# Altium PCB TrackCommanderCar_PCB.PcbDoc (part 2 of 2)
Units mm, origin at the board's own origin, x right, y up, seen from the top; angles counter-clockwise.
Board outline 155.3 x 78.3 mm, 2 copper layers (Top Layer, Bottom Layer); 125 components, 88 nets, 481 pads, 306 vias.
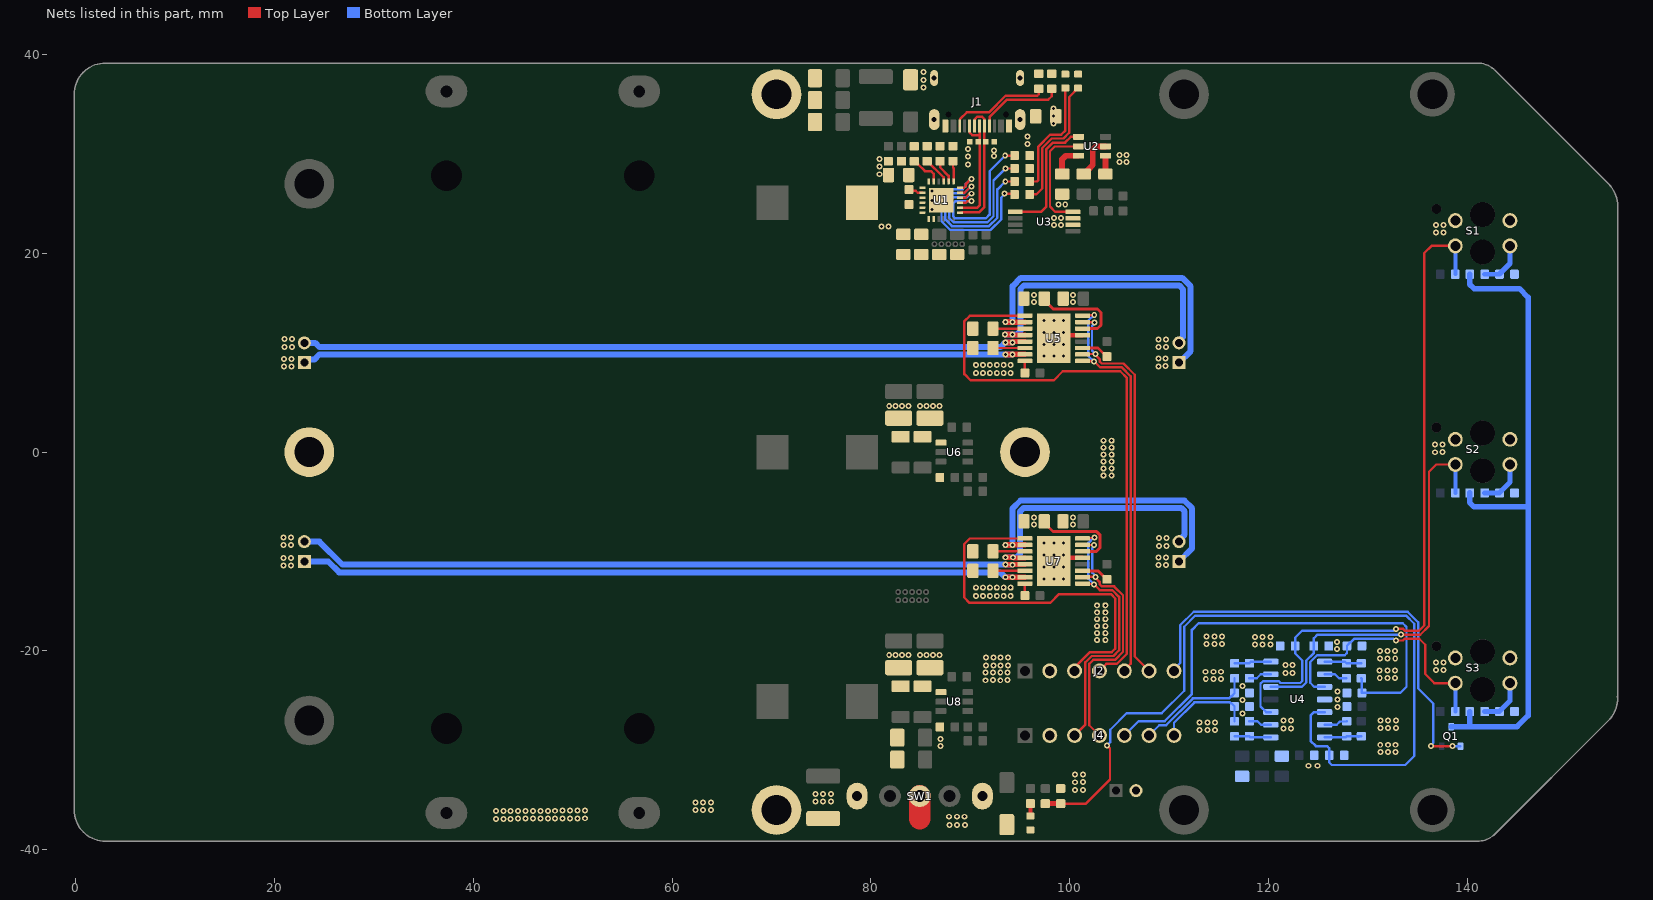
[diagram p2: the nets of this part, all layers, seen from the top]

## Via types
v1: diameter 0.6, hole 0.3, Top Layer to Bottom Layer, 306 vias

## Nets (pads, with @x,y where several pads share a name; then routed paths per layer and width w, separated by ;. In a path a pad name is that pad's centre, name@x,y a point inside that pad or via, vN(x,y) a via of type N, cw(c..) or ccw(c..) an arc to the next point about the centre after c; other vN are vias at no path point) (continued)
GND: C1.1 C2.1 C3.1 C4.1 C5.1 C11.1 C12.1 C13.1 C14.2 C15.1 C16.1 C17.1 C19.1 C20.1 C21.1 C23.1 C24.1 C25.1 C26.2 C27.1 C28.2 C30.2 C31.1 C32.1 C35.2 C36.1 C37.1 C38.1 C39.2 C41.2 C42.2 C43.1 C44.1 C45.1 C46.1 C47.1 D1.2 D2.1 D3.1 D4.1 D5.1 D6.2 D7.1 FB1.1 J1.A1_B12 J1.B1_A12 J2.2 J4.2 J9.2 pad.2@90.57,7.955 pad.2@90.57,8.78 pad.2@90.57,-13.634 pad.2@90.57,-14.459 pad.2@91.27,7.955 pad.2@91.27,8.78 pad.2@91.27,-13.634 pad.2@91.27,-14.459 pad.2@91.97,7.955 pad.2@91.97,8.78 pad.2@91.97,-13.634 pad.2@91.97,-14.459 pad.2@92.67,7.955 pad.2@92.67,8.78 pad.2@92.67,-13.634 pad.2@92.67,-14.459 pad.2@93.37,7.955 pad.2@93.37,8.78 pad.2@93.37,-13.634 pad.2@93.37,-14.459 pad.2@94.07,7.955 pad.2@94.07,8.78 pad.2@94.07,-13.634 pad.2@94.07,-14.459 pad.2@102.765,-15.41 pad.2@102.765,-16.11 pad.2@102.765,-16.81 pad.2@102.765,-17.51 pad.2@102.765,-18.21 pad.2@102.765,-18.91 pad.2@103.59,-15.41 pad.2@103.59,-16.11 pad.2@103.59,-16.81 pad.2@103.59,-17.51 pad.2@103.59,-18.21 pad.2@103.59,-18.91 pad.2@103.405,0.45 pad.2@103.405,1.15 pad.2@103.405,-0.25 pad.2@103.405,-0.95 pad.2@103.405,-1.65 pad.2@103.405,-2.35 pad.2@104.23,0.45 pad.2@104.23,1.15 pad.2@104.23,-0.25 pad.2@104.23,-0.95 pad.2@104.23,-1.65 pad.2@104.23,-2.35 pad.3@23.5,0 pad.3@70.5,36 pad.3@70.5,-36 pad.3@95.5,0 R2.2 R5.1 R6.1 R7.1 R8.1 R9.1 R10.1 R11.1 R12.1 R13.1 R20.2 R21.2 R28.1 R34.2 R35.2 R36.1 R40.2 S1.CATH S1.E S2.CATH S2.E S3.CATH S3.E SW1.SH U1.18 U1.GND U3.2 U3.3 U4.11 U5.13 U5.GND U6.1 U7.13 U7.GND U8.1 | length 6.1
  Top Layer w0.24: U7.GND@98.403,-10.96 U7.GND@98.728,-10.635
  Top Layer w0.45: U5.GND@98.403,11.454 98.728,11.779 U5.13@101.303,11.779 ; U7.GND@98.728,-10.635 U7.13@101.303,-10.635
  other v1: 87.9,-37.525 88.675,-37.525 89.45,-37.525 42.275,-36.895 43.021,-36.89 43.767,-36.885 44.513,-36.88 45.259,-36.875 46.006,-36.87 46.752,-36.865 47.498,-36.86 48.244,-36.855 48.99,-36.85 49.736,-36.844 50.482,-36.839 51.228,-36.834 87.875,-36.68 88.65,-36.68 89.425,-36.68 42.275,-36.12 43.021,-36.115 43.767,-36.11 44.513,-36.105 45.259,-36.1 46.006,-36.095 46.752,-36.09 47.498,-36.085 48.244,-36.08 48.99,-36.075 49.736,-36.069 50.482,-36.064 51.228,-36.059 62.35,-36 63.125,-36 63.9,-36 62.345,-35.254 63.12,-35.254 63.895,-35.254 74.43,-35.135 75.205,-35.135 75.98,-35.135 74.425,-34.389 75.2,-34.389 75.975,-34.389 100.56,-33.985 101.325,-33.98 100.56,-33.21 101.325,-33.205 100.56,-32.435 101.325,-32.43 124.025,-31.55 124.93,-31.55 131.255,-30.185 132.03,-30.185 132.805,-30.185 86.991,-29.57 131.25,-29.439 132.025,-29.439 132.8,-29.439 86.991,-28.87 113.085,-27.96 113.86,-27.96 114.635,-27.96 121.524,-27.79 122.27,-27.785 131.275,-27.755 132.05,-27.755 132.825,-27.755 113.08,-27.214 113.855,-27.214 114.63,-27.214 121.524,-27.015 122.27,-27.01 131.27,-27.009 132.045,-27.009 132.82,-27.009 117.37,-26.3 126.95,-25.64 117.37,-24.915 126.95,-24.865 126.95,-24.09 117.37,-23.54 91.545,-22.95 92.291,-22.945 93.02,-22.95 93.766,-22.945 113.695,-22.84 114.47,-22.84 115.245,-22.84 131.2,-22.705 131.975,-22.705 132.75,-22.705 121.699,-22.205 122.445,-22.2 91.545,-22.175 92.291,-22.17 93.02,-22.175 93.766,-22.17 113.69,-22.094 114.465,-22.094 115.24,-22.094 131.195,-21.959 131.97,-21.959 132.745,-21.959 136.85,-21.92 137.596,-21.915 91.58,-21.455 92.326,-21.45 93.04,-21.455 93.786,-21.45 121.699,-21.43 122.445,-21.425 136.85,-21.145 137.596,-21.14 131.21,-20.74 131.985,-20.74 132.76,-20.74 91.58,-20.68 93.04,-20.68 92.326,-20.675 93.786,-20.675 81.85,-20.4 82.5,-20.4 83.15,-20.4 83.8,-20.4 84.95,-20.4 85.6,-20.4 86.25,-20.4 86.9,-20.4 131.205,-19.994 131.98,-19.994 132.755,-19.994 126.915,-19.82 118.65,-19.33 119.425,-19.33 120.2,-19.33 113.785,-19.28 114.56,-19.28 115.335,-19.28 126.915,-19.12 118.645,-18.584 119.42,-18.584 120.195,-18.584 113.78,-18.534 114.555,-18.534 115.33,-18.534 20.905,-11.425 21.651,-11.42 108.945,-11.37 109.691,-11.365 20.905,-10.65 21.651,-10.645 108.945,-10.595 109.691,-10.59 108.98,-9.435 109.726,-9.43 20.92,-9.345 21.666,-9.34 108.98,-8.66 109.726,-8.655 20.92,-8.57 21.666,-8.565 96.405,-7.292 100.33,-7.292 96.405,-6.592 100.33,-6.592 136.78,-0.01 137.526,-0.005 136.78,0.765 137.526,0.77 81.85,4.65 82.5,4.65 83.15,4.65 83.8,4.65 84.95,4.65 85.6,4.65 86.25,4.65 86.9,4.65 20.955,8.61 21.701,8.615 108.92,8.64 109.666,8.645 20.955,9.385 21.701,9.39 108.92,9.415 109.666,9.42 108.945,10.56 21.005,10.59 109.691,10.565 21.751,10.595 108.945,11.335 109.691,11.34 21.005,11.365 21.751,11.37 96.405,15.125 100.355,15.125 96.405,15.825 100.355,15.825 136.85,22.09 137.596,22.095 81.065,22.695 81.765,22.695 98.423,22.86 99.123,22.86 136.85,22.865 137.596,22.87 98.423,23.56 99.123,23.56 86.145,24.43 98.859,24.931 99.559,24.931 86.145,25.33 86.145,26.279 80.865,27.96 80.865,28.735 89.785,28.95 105.03,29.215 105.73,29.215 80.865,29.51 89.785,29.725 92.405,29.795 105.03,29.915 105.73,29.915 92.395,30.34 89.785,30.5 95.765,30.995 95.765,31.77 98.38,33.045 98.38,33.82 98.38,34.595 85.3,36.689 85.3,37.464 85.3,38.239
"HY CS": R5.2 U2.3 | length 3.3
  Top Layer w0.6: R5.2@99.247,27.988 99.247,29.471 99.598,29.822 U2.3@100.897,29.822
"HY OC": U2.2 U3.4 | length 11.2
  Top Layer w0.24: U3.4@100.325,24.176 98.55,24.176 98.021,24.705 98.021,30.272 98.503,30.754 100.879,30.754 U2.2@100.897,30.772
"HY OD": U2.1 U3.5 | length 12.9
  Top Layer w0.24: U3.5@94.525,24.176 97.133,24.176 97.631,24.674 97.631,30.434 98.341,31.144 99.542,31.144 100.12,31.722 U2.1@100.897,31.722
"HY VC": R4.1 U2.4 | length 1.8
  Top Layer w0.24: R4.1@103.597,27.993 R4.1@103.602,27.988
  Top Layer w0.6: R4.1@103.597,27.993 U2.4@103.597,29.822
"HY VDD": R3.1 U2.5 | length 4.3
  Top Layer w0.6: R3.1@101.43,27.988 101.58,27.988 101.855,28.263 101.855,28.413 102.326,28.884 102.326,30.421 102.677,30.772 U2.5@103.597,30.772
INA-: R18.2 U4.2 | length 2.3
  Bottom Layer w0.24: R18.2@118.09,-27.07 118.895,-27.07 119.25,-27.425 U4.2@120.25,-27.425
INB-: R23.2 U4.6 | length 2.3
  Bottom Layer w0.24: R23.2@118.09,-22.755 118.82,-22.755 119.23,-22.345 U4.6@120.25,-22.345
INC-: R29.2 U4.9 | length 2.4
  Bottom Layer w0.24: U4.9@125.65,-22.345 126.704,-22.345 127.114,-22.755 R29.2@127.85,-22.755
IND+: C43.2 R39.2 R40.1 U4.12 | length 82.3
  Top Layer w0.24: R40.1@99.1,-35.355 101.645,-35.355 104.06,-32.94 104.06,-29.821 103.75,-29.511 v1(103.75,-29.5)
  Top Layer w0.5: R39.2@97.55,-35.355 R40.1@99.1,-35.355
  Bottom Layer w0.24: v1(103.75,-29.5) 104.079,-29.171 104.079,-27.921 105.75,-26.25 109.275,-26.25 111.524,-24.001 111.524,-17.558 112.642,-16.44 133.843,-16.44 134.67,-17.267 134.67,-30.575 133.77,-31.475 126.375,-31.475 126.105,-31.205 C43.2@126.105,-30.5 126.105,-29.782 125.894,-29.571 124.771,-29.571 124.25,-29.05 124.25,-26.5 124.593,-26.157 125.648,-26.157 U4.12@125.65,-26.155
IND-: R42.2 U4.13 | length 2.4
  Bottom Layer w0.24: U4.13@125.65,-27.425 126.87,-27.425 127.196,-27.1 127.85,-27.1 R42.2@127.88,-27.07
"IP BAT ST": R14.1 U1.5 | length 17.4
  Top Layer w0.24: U1.5@88.975,26.099 88.98,26.104 89.422,26.104 90.067,26.75 v1(90.13,26.75) ; v1(93.524,27.231) 94.466,27.231 R14.1@94.466,27.234
  Bottom Layer w0.24: v1(90.13,26.75) 90.074,26.75 89.354,26.03 88.187,26.03 87.495,25.338 87.495,23.397 88.152,22.739 91.889,22.739 92.73,23.581 92.73,26.437 v1(93.524,27.231)
"IP BST": C8.1 U1.14 | length 1.5
  Top Layer w0.24: C8.1@83.84,26.425 83.979,26.286 84.524,26.286 84.711,26.099 U1.14@85.175,26.099
"IP ISET": R6.2 U1.11 | length 3.3
  Top Layer w0.24: R6.2@84.365,29.354 84.365,29.309 84.71,28.964 84.755,28.964 85.44,28.279 86.045,28.279 86.32,28.004 86.32,27.254 U1.11@86.325,27.249
"IP LED": R15.1 U1.6 | length 18.5
  Top Layer w0.24: U1.6@88.975,26.599 88.98,26.604 89.37,26.604 89.56,26.794 89.56,26.986 90.074,27.5 v1(90.13,27.5) ; v1(93.43,26.027) 93.477,25.981 94.419,25.981 R15.1@94.466,25.934
  Bottom Layer w0.24: v1(90.13,27.5) 90.074,27.5 89.56,26.986 89.56,26.788 89.227,26.455 88.06,26.455 87.105,25.5 87.105,23.235 87.991,22.349 92.05,22.349 93.12,23.419 93.12,25.62 93.43,25.93 v1(93.43,26.027)
"IP LX": C8.2 L1.2 U1.15 U1.16 U1.17
"IP NTC": R11.2 U1.4 | length 16.7
  Top Layer w0.24: U1.4@88.975,25.599 89.523,25.599 89.855,25.931 89.964,25.931 90.117,26.084 v1@90.117,26.091 ; v1(93.534,28.534) R11.2@94.466,28.534
  Bottom Layer w0.24: v1@90.117,26.084 89.673,25.64 88.348,25.64 87.885,25.177 87.885,23.558 88.314,23.129 91.727,23.129 92.34,23.742 92.34,27.34 v1(93.534,28.534)
  other v1: 90.13,26
"IP OVSET": R10.2 U1.9 | length 2.7
  Top Layer w0.24: R10.2@85.665,29.309 87.32,27.654 87.32,27.254 U1.9@87.325,27.249
"IP TSET": R8.2 U1.7 | length 2.1
  Top Layer w0.24: R8.2@88.265,29.354 88.265,28.644 88.325,28.584 U1.7@88.325,27.249
"IP UVSET": R9.2 U1.8 | length 2.5
  Top Layer w0.24: R9.2@86.965,29.354 86.965,28.659 87.825,27.799 U1.8@87.825,27.249
"IP VIN": C3.2 R1.1 U1.12 U1.13 | length 0.8
  Top Layer w0.24: C3.2@83.538,28.14 83.991,27.686 C3.2@83.991,27.549
"IP VSET": R7.2 U1.3 | length 15.9
  Top Layer w0.24: U1.3@88.975,25.099 89.574,25.099 89.701,25.226 90.106,25.226 v1(90.13,25.25) ; v1(93.521,29.834) R7.2@94.466,29.834
  Bottom Layer w0.24: v1(90.13,25.25) 88.51,25.25 88.275,25.015 88.275,23.735 88.491,23.519 91.566,23.519 91.95,23.904 91.95,28.264 v1(93.521,29.834)
"IP VSYS": C12.2 C13.2 U1.19 U1.20
"IR1 A": C30.1 R24.1 S1.A | length 4.8
  Bottom Layer w0.5: R24.1@141.755,17.9 C30.1@143.245,17.9 143.245,17.93 144.3,18.985 S1.A@144.3,20.755
"IR1 C": C45.2 R25.2 S1.COLL U4.3 | length 70.1
  Top Layer w0.24: v1(132.825,-17.79) 132.835,-17.78 133.555,-17.78 133.753,-17.978 135.122,-17.978 135.675,-17.425 135.675,20.025 136.405,20.755 S1.COLL@138.8,20.755
  Bottom Layer w0.24: U4.3@120.25,-26.155 119.775,-26.155 119.205,-25.585 119.205,-23.291 119.451,-23.045 121.049,-23.045 121.229,-23.225 123.198,-23.225 123.42,-23.003 123.42,-20.98 122.701,-20.261 122.701,-19.516 C45.2@122.685,-19.5 122.685,-18.672 123.387,-17.97 132.548,-17.97 132.728,-17.79 v1(132.825,-17.79)
  Bottom Layer w0.4: R25.2@138.803,17.902 S1.COLL@138.803,20.752
"IR2 A": C35.1 R30.1 S2.A | length 4.8
  Bottom Layer w0.5: R30.1@141.755,-4.1 C35.1@143.245,-4.1 143.245,-4.07 144.3,-3.015 S2.A@144.3,-1.245
"IR2 C": C46.2 R31.2 S2.COLL U4.5 | length 41.9
  Top Layer w0.24: v1(133.32,-18.353) 133.335,-18.368 135.283,-18.368 136.15,-17.502 136.15,-1.975 136.88,-1.245 S2.COLL@138.8,-1.245
  Bottom Layer w0.24: U4.5@120.25,-23.615 123.36,-23.615 123.81,-23.165 123.81,-20.965 124.575,-20.2 C46.2@124.575,-19.5 ; C46.2@124.56,-19.5 124.56,-18.74 124.94,-18.36 133.313,-18.36 v1(133.32,-18.353)
  Bottom Layer w0.4: R31.2@138.803,-4.098 S2.COLL@138.803,-1.248
"IR3 A": C42.1 R37.1 S3.A | length 4.8
  Bottom Layer w0.5: R37.1@141.755,-26.1 C42.1@143.245,-26.1 143.245,-26.07 144.3,-25.015 S3.A@144.3,-23.245
"IR3 C": C47.2 R38.2 S3.COLL U4.10 | length 26.3
  Top Layer w0.24: v1(132.825,-18.94) 132.84,-18.955 133.526,-18.955 133.706,-18.775 135.175,-18.775 135.775,-19.375 135.775,-22.325 136.695,-23.245 S3.COLL@138.8,-23.245
  Bottom Layer w0.24: U4.10@125.65,-23.615 124.615,-23.615 124.2,-23.2 124.2,-21.127 124.902,-20.425 127.675,-20.425 127.9,-20.2 C47.2@127.9,-19.47 ; C47.2@127.9,-19.5 C47.2@127.9,-19.47 ; v1(132.825,-18.94) 132.728,-18.94 132.543,-18.755 128.645,-18.755 128.245,-19.155 128.215,-19.155 C47.2@127.9,-19.47 ; R38.2@138.803,-26.098 R38.2@138.805,-26.1
  Bottom Layer w0.4: R38.2@138.803,-26.098 S3.COLL@138.803,-23.247
"IR OUT1": C21.2 J4.7 R17.1 | length 9.9
  Bottom Layer w0.24: J4.7@110.5,-28.5 110.5,-27.231 112.556,-25.175 116.134,-25.175 116.214,-25.255 116.275,-25.255 116.59,-25.57 R17.1@116.59,-27.09
"IR OUT2": C23.2 J4.6 R22.1 | length 11.8
  Bottom Layer w0.24: J4.6@108,-28.5 109.024,-27.476 109.704,-27.476 112.405,-24.775 116.04,-24.775 116.245,-24.57 116.275,-24.57 116.59,-24.255 R22.1@116.59,-22.755
"IR OUT3": C31.2 J4.5 R27.1 | length 49.2
  Bottom Layer w0.24: J4.5@105.5,-28.5 106.925,-27.075 109.553,-27.075 112.304,-24.324 112.304,-17.881 112.965,-17.22 133.52,-17.22 133.89,-17.59 133.89,-23.598 133.263,-24.225 C31.2@129.41,-24.225 ; R27.1@129.35,-22.755 129.38,-22.785 C31.2@129.38,-24.195
"IR SW": J2.7 Q1.1 | length 46
  Top Layer w0.24: v1(136.35,-29.585) v1(138.525,-29.585)
  Bottom Layer w0.24: J2.7@110.5,-22 110.5,-21.825 111.125,-21.2 111.125,-17.405 112.48,-16.05 134.005,-16.05 135.06,-17.105 135.06,-23.76 136.59,-25.29 136.59,-29.25 136.35,-29.49 v1(136.35,-29.585) ; v1@138.525,-29.585 Q1.1@139.325,-29.585
"L DRV AISEN": R20.1 U5.3 | length 3.2
  Top Layer w0.24: R20.1@92.291,12.429 92.329,12.429 92.35,12.45 92.371,12.429 U5.3@95.503,12.429
"L DRV AOUT1": J5.1 U5.2 | length 33.1
  Top Layer w0.55: v1(94.27,13.079) U5.2@95.503,13.079
  Top Layer w0.6: v1(93.525,13.079) v1(94.27,13.079)
  Bottom Layer w0.6: v1(93.525,13.079) v1(94.27,13.079) 94.27,16.704 95.096,17.53 111.321,17.53 112.17,16.681 112.17,10.17 J5.1@111,9
"L DRV AOUT2": J5.2 U5.4 | length 30.2
  Top Layer w0.5: v1(94.27,11.85) 94.297,11.85 94.368,11.779 U5.4@95.503,11.779
  Top Layer w0.6: v1(93.5,11.85) v1(94.27,11.85)
  Bottom Layer w0.6: v1(93.5,11.85) 94.704,11.85 95.055,12.201 95.055,16.429 95.406,16.78 111.01,16.78 111.42,16.37 111.42,11.612 111,11.192 J5.2@111,11
"L DRV BISEN": R21.1 U5.6 | length 3.2
  Top Layer w0.24: R21.1@92.291,10.479 U5.6@95.503,10.479
"L DRV BOUT1": J6.1 U5.7 | length 73.6
  Top Layer w0.55: v1(94.27,9.829) U5.7@95.503,9.829
  Top Layer w0.6: v1(93.525,9.829) v1(94.27,9.829)
  Bottom Layer w0.6: J6.1@23,9 23.345,9.345 24.035,9.345 24.519,9.829 v1(93.525,9.829) v1(94.27,9.829)
"L DRV BOUT2": J6.2 U5.5 | length 73.6
  Top Layer w0.5: v1(94.27,11.05) 94.297,11.05 94.376,11.129 U5.5@95.503,11.129
  Top Layer w0.6: v1(93.525,11.05) v1(94.27,11.05)
  Bottom Layer w0.6: J6.2@23,11 24.09,11 24.51,10.58 93.055,10.58 v1(93.525,11.05) v1(94.27,11.05)
"L DRV IN1": J2.5 U5.9 U5.16 | length 41.8
  Top Layer w0.24: U5.9@101.303,9.179 101.332,9.15 102.416,9.15 v1(102.445,9.121) 102.478,9.121 103.075,8.524 104.882,8.524 105.257,8.524 106.153,7.628 106.153,7.253 106.153,-21.276 105.5,-21.929 J2.5@105.5,-22 ; U5.16@101.303,13.729 101.338,13.764 102.441,13.764 v1(102.476,13.8)
  Bottom Layer w0.24: v1(102.445,9.121) 101.86,9.706 101.86,13.216 102.444,13.8 v1(102.476,13.8)
"L DRV IN2": J2.6 U5.10 U5.15 | length 41.4
  Top Layer w0.24: U5.10@101.303,9.829 101.349,9.875 102.695,9.875 102.669,9.848 102.669,9.709 103.015,9.363 103.015,9.136 103.237,8.914 105.044,8.914 105.418,8.914 106.543,7.789 106.543,7.415 106.543,-20.543 J2.6@108,-22 ; U5.15@101.303,13.079 101.317,13.064 102.486,13.064 v1(102.5,13.05)
  Bottom Layer w0.24: v1(102.5,13.05) 102.5,12.953 102.25,12.703 102.25,10.225 v1(102.6,9.875)
"L DRV NFLT": R19.1 U5.8 | length 1.2
  Top Layer w0.24: R19.1@95.503,7.975 U5.8@95.503,9.179
"L DRV NSLP": J2.4 U5.1 | length 60.1
  Top Layer w0.24: U5.1@95.503,13.729 89.961,13.729 89.414,13.182 89.414,7.856 90.03,7.24 98.42,7.24 99.314,8.134 105.095,8.134 105.763,7.466 105.763,-20.285 104.742,-21.306 103.683,-21.306 103,-21.989 J2.4@103,-22
"L DRV VCP": C18.1 U5.11 | length 2.8
  Top Layer w0.3: U5.11@101.303,10.479 102.86,10.479 103.72,9.619 C18.1@103.75,9.619
"L DRV VINT": C26.1 U5.14 | length 9.6
  Top Layer w0.3: C26.1@97.441,15.45 97.441,15.3 98.341,14.4 102.799,14.4 103.15,14.049 103.15,12.776 102.803,12.429 U5.14@101.303,12.429
NetD4_2: D4.2 R14.2 | length 12
  Top Layer w0.24: R14.2@95.976,27.234 96.71,27.234 96.851,27.375 96.851,30.757 98.036,31.942 99.144,31.942 99.569,32.367 99.569,36.625 D4.2@99.565,36.629
NetD5_2: D5.2 R15.2 | length 13.8
  Top Layer w0.24: R15.2@95.976,25.934 96.643,25.934 97.241,26.532 97.241,30.595 98.198,31.552 99.368,31.552 99.968,32.152 99.968,35.738 D5.2@100.855,36.624
NetD7_2: D7.2 R16.1 | length 1.3
  Top Layer w0.24: D7.2@96.048,-36.602 D7.2@96.05,-36.601 ; R16.1@96.051,-35.353 R16.1@96.051,-35.353
  Top Layer w0.4: D7.2@96.05,-36.601 R16.1@96.051,-35.353
NetU3_1: 
OUTA: R17.2 R18.1 U4.1 | length 3.7
  Bottom Layer w0.24: R17.2@116.59,-28.6 116.6,-28.59 R18.1@118.09,-28.59 ; R18.1@118.09,-28.58 118.205,-28.695 U4.1@120.25,-28.695
OUTB: R22.2 R23.1 U4.7 | length 3.7
  Bottom Layer w0.24: R22.2@116.59,-21.245 R23.1@118.09,-21.245 118.26,-21.075 U4.7@120.25,-21.075
OUTC: R27.2 R29.1 U4.8 | length 3.8
  Bottom Layer w0.24: U4.8@125.65,-21.075 127.68,-21.075 R29.1@127.85,-21.245 R27.2@129.35,-21.245
OUTD: R41.2 R42.1 U4.14 | length 3.8
  Bottom Layer w0.24: U4.14@125.65,-28.695 127.765,-28.695 R42.1@127.88,-28.58 129.005,-28.58 R41.2@129.075,-28.65 ; R41.2@129.075,-28.651 129.146,-28.58 R41.2@129.35,-28.58
"POWER IR LED": Q1.3 R24.2 R30.2 R37.2 | length 66.3
  Bottom Layer w0.56: Q1.3@138.375,-27.616 140.25,-27.616 ; R37.2@140.245,-26.1 140.245,-27.611 140.25,-27.616 ; R30.2@140.245,-4.1 140.245,-5.055 140.69,-5.5 146.125,-5.5 ; R24.2@140.245,17.9 140.245,16.895 140.69,16.45 145.25,16.45 146.125,15.575 146.125,-5.5 ; 140.25,-27.616 145.009,-27.616 146.125,-26.5 146.125,-5.5
"R DRV AISEN": R34.1 U7.3 | length 3.2
  Top Layer w0.24: R34.1@92.291,-9.985 U7.3@95.503,-9.985
"R DRV AOUT1": J7.1 U7.2 | length 31
  Top Layer w0.55: v1(94.27,-9.335) U7.2@95.503,-9.335
  Top Layer w0.6: v1(93.525,-9.335) v1(94.27,-9.335)
  Bottom Layer w0.6: v1(93.525,-9.335) v1(94.27,-9.335) 94.27,-5.651 95.061,-4.86 111.534,-4.86 112.325,-5.651 112.325,-6.156 112.325,-9.675 J7.1@111,-11
"R DRV AOUT2": J7.2 U7.4 | length 28
  Top Layer w0.5: v1(94.3,-10.575) 94.327,-10.575 94.387,-10.635 U7.4@95.503,-10.635
  Top Layer w0.6: v1(93.53,-10.575) v1(94.3,-10.575)
  Bottom Layer w0.6: v1(93.53,-10.575) 94.669,-10.575 95.02,-10.224 95.02,-5.961 95.371,-5.61 111.224,-5.61 111.575,-5.961 111.575,-8.295 111,-8.87 J7.2@111,-9
"R DRV BISEN": R35.1 U7.6 | length 3.2
  Top Layer w0.24: R35.1@92.291,-11.935 U7.6@95.503,-11.935
"R DRV BOUT1": J8.1 U7.7 | length 73.9
  Top Layer w0.55: v1(94.27,-12.585) U7.7@95.503,-12.585
  Top Layer w0.6: v1(93.525,-12.585) v1(94.27,-12.585)
  Bottom Layer w0.6: J8.1@23,-11 25.41,-11 26.5,-12.09 93.03,-12.09 v1(93.525,-12.585) v1(94.27,-12.585)
"R DRV BOUT2": J8.2 U7.5 | length 74.2
  Top Layer w0.5: v1(94.274,-11.33) 94.301,-11.33 94.346,-11.285 U7.5@95.503,-11.285
  Top Layer w0.6: v1(93.53,-11.325) 93.535,-11.33 v1(94.274,-11.33)
  Bottom Layer w0.6: J8.2@23,-9 24.52,-9 26.845,-11.325 v1(93.53,-11.325) 93.532,-11.327 94.272,-11.327 v1(94.274,-11.33)
"R DRV IN1": J4.3 U7.9 U7.16 | length 27.7
  Top Layer w0.24: J4.3@100.5,-28.5 101.586,-27.414 101.586,-21.414 101.586,-21.142 102.22,-20.508 102.492,-20.508 104.4,-20.508 104.983,-19.925 104.983,-14.563 104.31,-13.89 103.042,-13.89 102.416,-13.264 101.332,-13.264 U7.9@101.303,-13.235 ; U7.16@101.303,-8.685 101.346,-8.642 102.436,-8.642 v1(102.478,-8.6)
  Bottom Layer w0.24: v1(102.445,-13.293) 101.885,-12.733 101.885,-9.13 102.416,-8.6 v1(102.478,-8.6)
"R DRV IN2": J4.4 U7.10 U7.15 | length 26.8
  Top Layer w0.24: U7.10@101.303,-12.585 101.349,-12.539 v1(102.6,-12.539) 102.6,-12.636 103.015,-13.051 103.015,-13.278 103.237,-13.5 104.472,-13.5 105.373,-14.401 105.373,-20.087 104.562,-20.898 102.382,-20.898 101.976,-21.304 101.976,-27.476 J4.4@103,-28.5 ; U7.15@101.303,-9.335 101.31,-9.342 102.465,-9.342 v1(102.472,-9.349)
  Bottom Layer w0.24: v1(102.472,-9.349) 102.472,-9.447 102.275,-9.644 102.275,-12.117 102.6,-12.442 v1(102.6,-12.539)
"R DRV NFLT": R32.1 U7.8 | length 1.2
  Top Layer w0.24: R32.1@95.503,-14.425 U7.8@95.503,-13.235
"R DRV NSLP": J2.3 U7.1 | length 37.9
  Top Layer w0.24: U7.1@95.503,-8.685 89.95,-8.685 89.396,-9.239 89.396,-14.617 89.939,-15.16 98.045,-15.16 98.925,-14.28 104.149,-14.28 104.593,-14.724 104.593,-19.764 104.239,-20.118 102.059,-20.118 100.5,-21.677 J2.3@100.5,-22
"R DRV VCP": C33.1 U7.11 | length 2.8
  Top Layer w0.3: U7.11@101.303,-11.935 102.86,-11.935 103.72,-12.795 C33.1@103.75,-12.795
"R DRV VINT": C41.1 U7.14 | length 9.5
  Top Layer w0.3: C41.1@97.441,-6.967 97.441,-7.117 98.316,-7.992 102.704,-7.992 102.712,-8 102.727,-8 103.078,-8.351 103.078,-9.592 102.685,-9.985 U7.14@101.303,-9.985
"SW IN": F2.2 SW1.2 | length 2.3
  Top Layer w2.2: 84.92,-36.86 SW1.2@84.92,-34.61
"USB CC1": J1.A5 R12.2 | length 8.8
  Top Layer w0.24: J1.A5@91.945,32.819 91.945,33.709 93.705,35.469 97.855,35.469 98.195,35.809 R12.2@98.195,36.564
"USB CC2": J1.B5 R13.2 | length 10.2
  Top Layer w0.24: J1.B5@88.945,32.819 88.975,32.849 88.975,33.514 89.651,34.189 91.873,34.189 93.543,35.859 96.744,35.859 96.885,36 96.885,36.554 R13.2@96.895,36.564
"USB SHIELD": FB1.2 J1.S1 J1.S2 J1.S3 J1.S4
USB_D_N: D2.2 J1.A7 J1.B7 U1.1 | length 13.5
  Top Layer w0.25: U1.1@88.975,24.099 89.15,24.099 89.175,24.124 90.864,24.124 91.42,24.68 91.42,30.764 91.42,31.079 D2.2@91.57,31.229 ; J1.A7@90.445,32.819 90.47,32.844 90.47,33.516 90.698,33.744 91.191,33.744 91.42,33.516 91.42,32.844 J1.B7@91.445,32.819 ; J1.B7@91.42,32.794 91.42,32.244 91.42,31.354 D2.2@91.545,31.229
USB_D_P: D3.2 J1.A6 J1.B6 U1.2 | length 12.1
  Top Layer w0.25: U1.2@88.975,24.599 89.15,24.599 89.175,24.574 90.678,24.574 90.97,24.866 90.97,31.079 D3.2@90.82,31.229 ; J1.B6@89.945,32.819 89.97,32.794 89.97,32.123 90.198,31.894 90.97,31.894 90.97,31.799 ; D3.2@90.845,31.229 90.97,31.354 90.97,31.799 ; J1.A6@90.945,32.819 90.97,32.794 90.97,32.244 90.97,31.799
pads on no net: J1. J1.A8 J1.B8 J3. S1. S2. S3. SW1.1 U1.10 U3.1 U3.8 U6.5 U8.5

## Polygon pours and split planes (outlines as drawn)
BAT- on Top Layer "BAT-_L01_P027" (solid, pour order 27): 88.25,23.922 97.115,23.922 97.115,15.305 89.81,15.305 89.81,21.26 92.64,21.26 92.96,21.58 92.96,22.268 92.078,23.149 88.25,23.149
GND on Top Layer "GND_L01_P056" (solid, pour order 56): 2.999,-39.151 13,-39.151 140.997,-39.151 141,-39.151 ccw(c141,-36.587) 142.813,-38.4 142.816,-38.397 154.208,-27.005 ccw(c151.933,-24.73) 155.15,-24.731 ccw(c155,-24.731) 155.096,-24.615 ccw(c155,-24.5) 155.15,-24.5 155.15,24.96 155.137,25.022 ccw(c151.934,24.729) 154.208,27.004 142.813,38.399 ccw(c141,36.585) 141.001,39.15 141,39.15 3,39.15 2.997,39.15 ccw(c3,35.999) -0.151,35.999 -0.151,28.999 -0.151,-36.001 -0.151,-36.002 ccw(c3,-36.001)
+5V on Top Layer "+5V_L01_P058" (solid, pour order 58): 88.775,14.42 90.075,14.42 90.075,9.89 88.775,9.89
+5V on Top Layer "Top Layer-+5V" (solid, pour order 51): 66.808,6.968 66.808,-0.703 ccw(c67.855,-0.703) 67.855,-1.75 71.7,-1.75 71.7,1.75 68.768,1.75 68.768,5.15 89.14,5.15 89.14,5.152 101.366,5.152 101.366,6.965 90.03,6.965 90.03,7.99 67.83,7.99 ccw(c67.83,6.968)
+VBAT on Top Layer "+VBAT_L01_P055" (solid, pour order 55): 82.09,-26.649 82.09,-27.55 83.745,-27.55 83.745,-31.825 86.28,-31.825 86.28,-26.649
+VBAT on Top Layer "+VBAT_L01_P052" (solid, pour order 52): 82.09,-1.096 86.28,-1.096 86.28,-15.25 cw(c85.755,-15.25) 85.755,-15.775 82.615,-15.775 cw(c82.615,-15.25) 82.09,-15.25
+3V3 on Top Layer "+3V3_L01_P038" (solid, pour order 38): 71.7,-26.85 67.89,-26.85 cw(c67.89,-25.768) 66.808,-25.768 66.808,-19.012 cw(c67.859,-19.012) 67.859,-17.961 88.525,-17.961 88.9,-18.336 88.9,-19.598 88.548,-19.95 68.768,-19.95 68.768,-23.35 71.7,-23.35
BAT+ on Top Layer "BAT+_L01_P047" (solid, pour order 47): 76.895,-33.35 76.895,-30.495 56.72,-30.495 56.72,-33.35
"SW IN" on Top Layer "SW_IN_L01_P046" (solid, pour order 46): 73.505,-36.11 84.985,-36.11 84.985,-37.955 73.505,-37.955
BAT- on Top Layer "BAT-_L01_P044" (solid, pour order 44): 93.378,15.085 42.58,15.085 42.58,19.15 93.378,19.15
+3V3 on Top Layer "+3V3_L01_P043" (solid, pour order 43): 89.725,-19.769 87.508,-19.769 87.508,-18.174 89.725,-18.174
+VBAT on Top Layer "Top Layer-+VBAT" (solid, pour order 41): 86.509,-27.021 87.349,-27.021 87.6,-26.77 87.6,-25.835 87.515,-25.75 86.5,-25.75 86.2,-26.05 82.236,-26.05 82.09,-26.196 82.09,-27.102 82.238,-27.25 86.28,-27.25
"BUCK2 SW" on Top Layer "Top Layer-BUCK2 SW" (solid, pour order 40): 81.85,-25.7 86.13,-25.7 86.5,-25.33 86.5,-24.87 86.13,-24.5 81.85,-24.5 80.7,-23.35 77.5,-23.35 77.5,-26.85 80.7,-26.85
"BUCK1 SW" on Top Layer "Top Layer-BUCK1 SW" (solid, pour order 39): 81.85,-0.6 86.126,-0.6 86.5,-0.226 86.5,0.233 86.133,0.6 81.85,0.6 80.7,1.75 77.5,1.75 77.5,-1.75 80.7,-1.75
+VBAT on Top Layer "Top Layer-+VBAT 1" (solid, pour order 36): 86.509,-1.921 87.349,-1.921 87.6,-1.67 87.6,-0.735 87.515,-0.65 86.5,-0.65 86.2,-0.95 82.236,-0.95 82.09,-1.096 82.09,-2.002 82.238,-2.15 86.28,-2.15
"+5V SYS" on Top Layer "Top Layer-+5V SYS" (solid, pour order 21): 67.905,23.35 71.7,23.35 71.7,26.85 68.925,26.85 cw(c68.925,26.995) 68.78,26.995 68.78,30.23 cw(c68.893,30.23) 68.893,30.343 83.373,30.343 83.546,30.516 83.546,31.724 ccw(c83.266,31.724) 83.266,32.004 79.016,32.004 cw(c79.015,32.51) 78.51,32.51 78.51,34.919 cw(c79.016,34.919) 79.016,35.424 82.425,35.424 ccw(c82.425,35.724) 82.725,35.724 82.725,38.229 ccw(c82.426,38.23) 82.425,38.529 75.565,38.529 ccw(c75.564,38.23) 75.265,38.23 75.265,32.434 cw(c74.981,32.433) 74.98,32.149 67.599,32.149 ccw(c67.599,31.38) 66.83,31.38 66.83,24.425 ccw(c67.905,24.425)
BAT+ on Top Layer "BAT+_L01_P001" (solid, pour order 1): 86.7,23.704 86.7,23.094 86.177,22.571 ccw(c86.459,22.289) 86.06,22.289 86.061,20.919 ccw(c86.36,20.919) 86.36,20.62 90.74,20.62 90.74,22.22 ccw(c90.436,22.22) 90.436,22.524 88.017,22.524 87.45,23.091 87.45,23.709 87.41,23.749 86.745,23.749
"USB SHIELD" on Top Layer "USB_SHIELD_L01_P008" (solid, pour order 8): 95.015,32.409 97.005,32.409 ccw(c97.005,32.559) 97.155,32.559 97.155,34.369 97.015,34.509 95.015,34.509
"USB SHIELD" on Top Layer "USB_SHIELD_L01_P010" (solid, pour order 10): 85.85,33.454 85.85,38.029 cw(c86.255,38.029) 86.255,38.434 86.495,38.434 cw(c86.495,38.029) 86.9,38.029 86.9,33.454
"+5V USB" on Top Layer "+5V_USB_L01_P013" (solid, pour order 13): 78.675,34.959 78.675,32.469 ccw(c78.975,32.469) 78.975,32.169 84.775,32.169 ccw(c84.775,32.469) 85.075,32.469 85.075,34.959 ccw(c84.775,34.959) 84.775,35.259 78.975,35.259 ccw(c78.975,34.959)
"IP VIN" on Top Layer "IP_VIN_L01_P015" (solid, pour order 15): 85.544,26.474 85.95,26.88 85.95,27.845 ccw(c85.88,27.845) 85.929,27.895 85.854,27.97 ccw(c85.772,27.889) 85.772,28.004 85.325,28.004 84.66,28.669 ccw(c84.611,28.62) 84.611,28.689 83.995,28.689 cw(c83.995,28.939) 83.745,28.939 83.745,29.464 ccw(c83.507,29.464) 83.507,29.703 82.838,29.703 82.616,29.481 82.616,27.799 ccw(c82.944,27.799) 82.712,27.568 83.171,27.109 ccw(c83.387,27.326) 83.387,27.02 84.3,27.02 84.795,26.525 ccw(c84.918,26.649) 84.918,26.474
"IP LX" on Top Layer "Top Layer-IP LX" (solid, pour order 25): 83.334,24.474 85.445,24.475 85.475,24.505 85.475,25.695 85.446,25.724 84.714,25.724 83.326,25.724 82.299,26.751 ccw(c82.062,26.513) 82.062,26.849 77.5,26.849 77.5,23.35 82.079,23.35 ccw(c82.079,23.666) 82.302,23.442
"IP VSYS" on Top Layer "IP_VSYS_L01_P026" (solid, pour order 26): 82.86,20.62 85.49,20.62 ccw(c85.49,20.93) 85.8,20.93 85.8,22.51 86.45,23.16 86.45,23.72 86.421,23.749 83.999,23.749 ccw(c83.999,23.316) 83.692,23.622 82.662,22.592 ccw(c82.934,22.321) 82.55,22.321 82.55,20.93 ccw(c82.86,20.93)
GND on Bottom Layer "GND_L02_P057" (solid, pour order 57): 2.999,-39.151 13,-39.151 140.997,-39.151 141,-39.151 ccw(c141,-36.587) 142.813,-38.4 142.816,-38.397 154.208,-27.005 ccw(c151.933,-24.73) 155.15,-24.731 ccw(c155,-24.731) 155.096,-24.615 ccw(c155,-24.5) 155.15,-24.5 155.15,24.96 155.137,25.022 ccw(c151.934,24.729) 154.208,27.004 142.813,38.399 ccw(c141,36.585) 141.001,39.15 141,39.15 3,39.15 2.997,39.15 ccw(c3,35.999) -0.151,35.999 -0.151,28.999 -0.151,-36.001 -0.151,-36.002 ccw(c3,-36.001)
+VBAT on Bottom Layer "+VBAT_L02_P054" (solid, pour order 54): 76.095,-31.085 76.095,-14.29 cw(c76.86,-14.29) 76.86,-13.525 85.785,-13.525 cw(c85.785,-14.018) 86.278,-14.018 86.278,-16.152 cw(c85.725,-16.152) 85.725,-16.705 80.815,-16.705 ccw(c80.815,-17.03) 80.49,-17.03 80.49,-27.28 ccw(c80.88,-27.28) 80.88,-27.67 84.585,-27.67 cw(c84.585,-28.205) 85.12,-28.205 85.12,-31.35 cw(c84.56,-31.35) 84.56,-31.91 76.92,-31.91 cw(c76.92,-31.085)
BAT+ on Bottom Layer "BAT+_L02_P045" (solid, pour order 45): 85.82,21.295 85.82,17.105 89.23,17.105 89.595,17.47 89.595,21.03 89.33,21.295
+3V3 on Bottom Layer "+3V3_L02_P042" (solid, pour order 42): 87.51,-21.294 87.51,-18.526 cw(c87.833,-18.526) 87.833,-18.203 88.698,-18.203 cw(c88.698,-18.523) 89.018,-18.523 89.018,-21.294 88.837,-21.475 87.691,-21.475
"USB SHIELD" on Bottom Layer "USB_SHIELD_L02_P009" (solid, pour order 9): 94.49,33.459 94.49,38.034 cw(c94.895,38.034) 94.895,38.439 95.135,38.439 cw(c95.135,38.034) 95.54,38.034 95.54,33.459
"USB SHIELD" on Bottom Layer "USB_SHIELD_L02_P012" (solid, pour order 12): 95.015,36.839 86.375,36.839 86.375,38.439 95.015,38.439

## Keep-outs
Keep-Out Layer:
  lines w0.5: 155,-24.731 cw(c151.934,-24.731) 154.102,-26.899 142.707,-38.294 cw(c141,-36.587) 141,-39.001 13,-39.001 3,-39.001 cw(c3,-36.001) 0,-36.001 0,28.999 0,35.999 cw(c3,35.999) 3,38.999 141,38.999 cw(c141,36.585) 142.707,38.292 154.102,26.897 cw(c151.934,24.729) 155,24.729 ; 155,-24.5 155,24.96

## Other copper
Bottom Layer:
  pour cut-out: 89.757,20.512 92.932,20.512 92.932,19.834 89.757,19.834 89.757,19.911

## Silkscreen, mask and mechanical layers (free items; w line width, h text height)
Top Overlay:
  lines w0.3: 68,-36.001 cw(c66,-36.001) 66,-38.001 28,-38.001 cw(c28,-36.001) 26,-36.001 26,-0.001 26,13.999 26,35.999 cw(c28,35.999) 28,37.999 66,37.999 cw(c66,35.999) 68,35.999 ; 68,-36 68,36 ; 1,7 ccw(c3,7) 3,5 19,5 ccw(c19,7) 21,7 21,36 ccw(c19,36) 19,38 3,38 ccw(c3,36) 1,36 1,7 ; 1,-36 ccw(c3,-36) 3,-38 19,-38 ccw(c19,-36) 21,-36 21,-7 ccw(c19,-7) 19,-5 3,-5 ccw(c3,-7) 1,-7 1,-36 ; 114,-36.001 ccw(c116,-36.001) 116,-38.001 132,-38.001 ccw(c132,-36.001) 134,-36.001 134,-7.001 ccw(c132,-7.001) 132,-5.001 116,-5.001 ccw(c116,-7.001) 114,-7.001 114,-36.001 ; 114,6.999 ccw(c116,6.999) 116,4.999 132,4.999 ccw(c132,6.999) 134,6.999 134,35.999 ccw(c132,35.999) 132,37.999 116,37.999 ccw(c116,35.999) 114,35.999 114,6.999
  text "STAT" at 104.55,38.258 h1.5 r180
  text "CHRG" at 108.75,38.258 h1.5 r180
  text "ON" at 97.226,-38.316 h1.75
Bottom Overlay:
  drawing of 219 lines, arcs and shapes, not listed
  text "RDRV" at 101.536,-24.2 h0.5
  text "LDRV" at 104.036,-24.2 h0.5
  text "LDRV" at 106.536,-24.2 h0.5
  text "LDRV" at 109.036,-24.2 h0.5
  text "IR" at 111.125,-24.2 h0.5
  text "3V3" at 96.286,-24.65 h0.5
  text "GND" at 98.786,-24.65 h0.5
  text "NSLP" at 101.536,-25 h0.5
  text "NSLP" at 104.036,-25 h0.5
  text "IN1" at 106.245,-25 h0.5
  text "IN2" at 108.745,-25 h0.5
  text "SW" at 111.125,-25 h0.5
  text "RDRV" at 101.536,-26.2 h0.5
  text "RDRV" at 104.036,-26.2 h0.5
  text "IR" at 106.125,-26.2 h0.5
  text "IR" at 108.625,-26.2 h0.5
  text "IR" at 111.125,-26.2 h0.5
  text "3V3" at 96.286,-26.65 h0.5
  text "GND" at 98.786,-26.65 h0.5
  text "IN1" at 101.536,-27 h0.5
  text "IN2" at 104.036,-27 h0.5
  text "OUT3" at 106.536,-27 h0.5
  text "OUT2" at 109.036,-27 h0.5
  text "OUT1" at 111.453,-27 h0.5
  text "BVS" at 105.236,-32.35 h0.5
  text "GND" at 107.736,-32.35 h0.5